# Altium PCB DK2.PcbDoc (part 4 of 5)
Units mm, origin at the board's own origin, x right, y up, seen from the top; angles counter-clockwise.
Board outline 129.5 x 68 mm, 4 copper layers (Top Layer, MidLayer1, Power, Bottom Layer), stack 0.98 mm thick; 275 components, 227 nets, 1103 pads, 1072 vias.
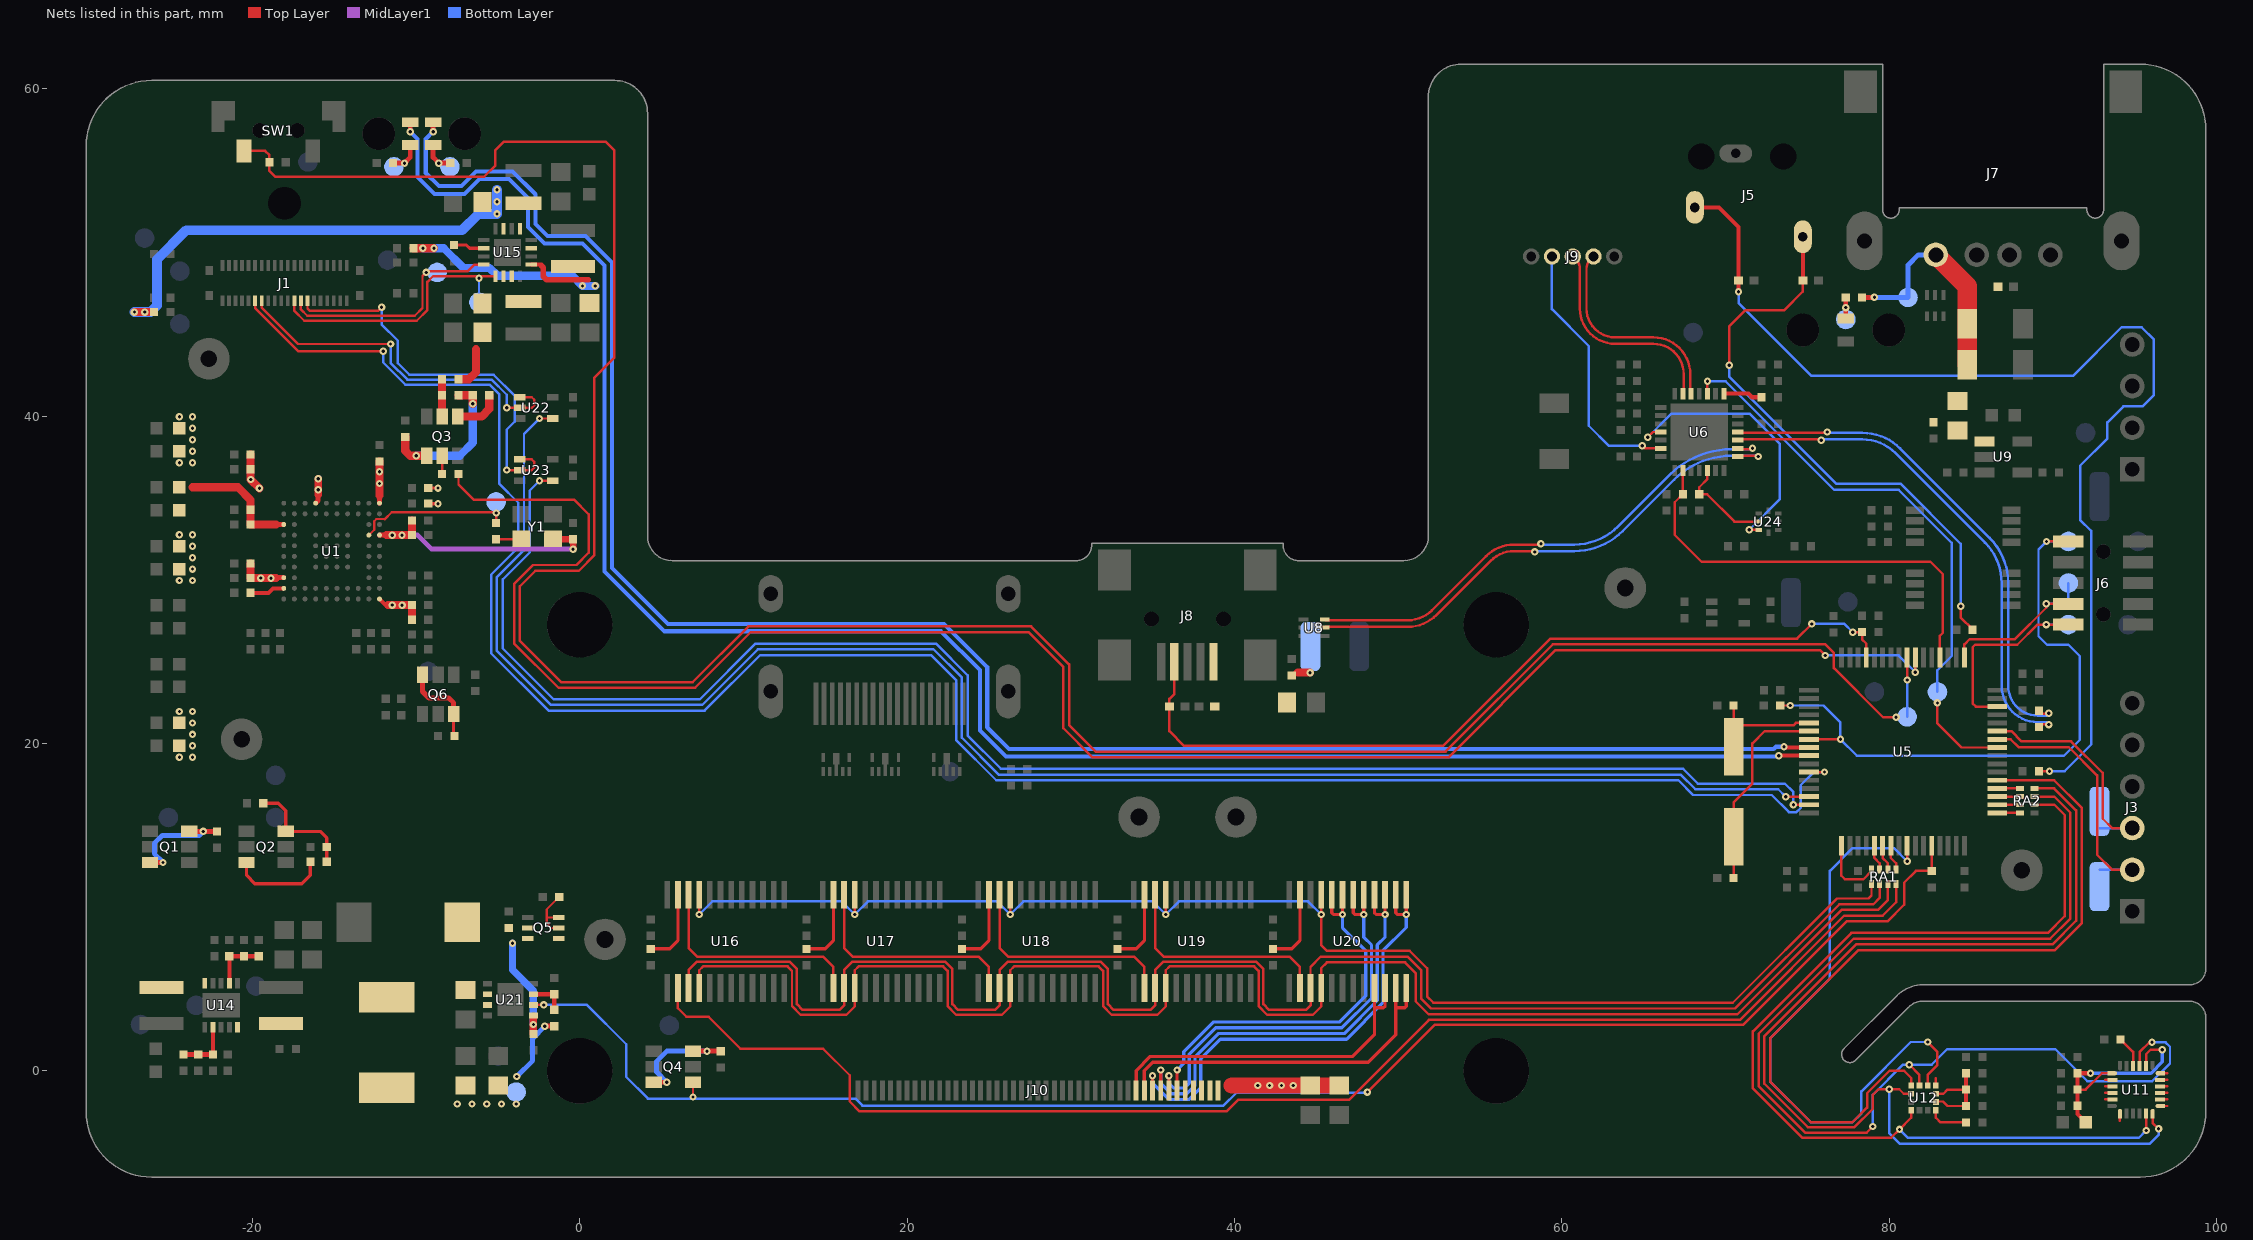
[diagram p6: the nets of this part, all layers, seen from the top]

## Via types
v1: diameter 0.45, hole 0.2, Top Layer to Bottom Layer, tented both sides, 801 vias
v2: diameter 0.8, hole 0.3, Top Layer to Bottom Layer, tented both sides, 266 vias
v3: diameter 0.457, hole 0.203, Top Layer to Bottom Layer, tented both sides, 5 vias

## Nets (pads, with @x,y where several pads share a name; then routed paths per layer and width w, separated by ;. In a path a pad name is that pad's centre, name@x,y a point inside that pad or via, vN(x,y) a via of type N, cw(c..) or ccw(c..) an arc to the next point about the centre after c; other vN are vias at no path point) (continued)
IR_LED35: J10.35 U20.9 U20.10 | length 21.3
  Top Layer w0.2: J10.35@34,-1.2 34,0.01 34.865,0.875 47.225,0.875 48.555,2.205 U20.9@48.555,5.05 ; 48.555,3.85 49.11,3.85 49.205,3.945 U20.10@49.205,5.05
IR_LED36: J10.36 U20.11 U20.12 | length 22.1
  Top Layer w0.2: J10.36@34.5,-1.2 34.5,0.015 35.01,0.525 48.175,0.525 49.855,2.205 49.855,3.85 ; U20.11@49.855,5.05 49.855,3.85 ; U20.12@50.505,5.05 50.505,3.945 50.41,3.85 49.855,3.85
IR_LED37: J10.37 U20.13 U20.14 | length 28.3
  Top Layer w0.2: J10.37@35,-1.2 v1(35,-0.3) ; U20.14@49.855,10.75 49.855,9.645 49.95,9.55 v1(50.505,9.55) U20.13@50.505,10.75
  Bottom Layer w0.2: v1(35,-0.3) 35,-0.75 36,-1.75 37.24,-1.75 37.95,-1.04 37.95,0.725 39.15,1.925 46.85,1.925 49.075,4.15 49.075,7.325 50.505,8.755 v1(50.505,9.55)
IR_LED38: J10.38 U20.15 U20.16 | length 27.4
  Top Layer w0.2: J10.38@35.5,-1.2 v1(35.5,0.05) ; U20.16@48.555,10.75 48.555,9.645 48.65,9.55 v1(49.205,9.55) U20.15@49.205,10.75
  Bottom Layer w0.2: v1(35.5,0.05) 35.5,-0.75 36.15,-1.4 37.095,-1.4 37.6,-0.895 37.6,0.87 39.005,2.275 46.705,2.275 48.725,4.295 48.725,7.687 49.2,8.162 v1@49.2,9.55
IR_LED39: J10.39 U20.17 U20.18 | length 25.5
  Top Layer w0.2: J10.39@36,-1.2 v1(36,-0.3) ; U20.18@47.255,10.75 47.255,9.645 47.35,9.55 v1(47.905,9.55) U20.17@47.905,10.75
  Bottom Layer w0.2: v1(36,-0.3) 36,-0.75 36.3,-1.05 36.95,-1.05 37.25,-0.75 37.25,1.015 38.86,2.625 46.56,2.625 48.375,4.44 48.375,7.692 47.905,8.162 v1(47.905,9.55)
IR_LED40: J10.40 U20.19 U20.20 | length 23.6
  Top Layer w0.2: J10.40@36.5,-1.2 v1(36.5,0.05) ; U20.20@45.955,10.75 45.955,9.645 46.05,9.55 v1(46.605,9.55) U20.19@46.605,10.75
  Bottom Layer w0.2: v1(36.5,0.05) 36.9,0.45 36.9,1.16 38.715,2.975 46.415,2.975 48.025,4.585 48.025,7.325 46.6,8.75 v1@46.6,9.55
IR_LED_CLK: RA1.6 U16.3 U17.3 U18.3 U19.3 U20.3 | length 100.2
  Top Layer w0.15: U16.3@6.655,5.05 6.655,6.165 7.165,6.675 12.825,6.675 13.275,6.225 13.275,4.075 13.625,3.725 15.885,3.725 16.155,3.995 U17.3@16.155,5.05 16.155,6.165 16.665,6.675 22.325,6.675 22.775,6.225 22.775,4.075 23.125,3.725 25.385,3.725 25.655,3.995 U18.3@25.655,5.05 25.655,6.165 26.165,6.675 31.825,6.675 32.275,6.225 32.275,4.075 32.625,3.725 34.885,3.725 35.155,3.995 U19.3@35.155,5.05 35.155,6.165 35.665,6.675 41.325,6.675 41.775,6.225 41.775,4.075 42.125,3.725 44.385,3.725 44.655,3.995 U20.3@44.655,5.05 ; U20.3@44.65,5.025 44.65,6.35 45.275,6.975 50.57,6.975 51.425,6.12 51.425,4.395 52.013,3.807 70.587,3.807 76.955,10.175 79.033,10.175 79.422,10.564 RA1.6@79.422,11.405
IR_LED_LE: RA1.7 U16.4 U17.4 U18.4 U19.4 U20.4 | length 100.2
  Top Layer w0.15: U16.4@7.305,5.05 7.305,6.141 7.539,6.375 12.701,6.375 12.975,6.101 12.975,3.951 13.501,3.425 16.295,3.425 16.805,3.935 U17.4@16.805,5.05 16.805,6.141 17.039,6.375 22.201,6.375 22.475,6.101 22.475,3.951 23.001,3.425 25.795,3.425 26.305,3.935 U18.4@26.305,5.05 26.305,6.141 26.539,6.375 31.701,6.375 31.975,6.101 31.975,3.951 32.501,3.425 35.295,3.425 35.805,3.935 U19.4@35.805,5.05 35.805,6.141 36.039,6.375 41.201,6.375 41.475,6.101 41.475,3.951 42.001,3.425 44.795,3.425 45.305,3.935 U20.4@45.305,5.05 45.305,6.28 45.65,6.625 50.425,6.625 51.075,5.975 51.075,4.25 51.868,3.457 70.732,3.457 77.1,9.825 79.318,9.825 79.922,10.429 RA1.7@79.922,11.405
IR_LED_OE: RA1.5 U16.21 U17.21 U18.21 U19.21 U20.21 | length 88
  Top Layer w0.15: v1(7.305,9.55) U16.21@7.305,10.75 ; v1(16.805,9.55) U17.21@16.805,10.75 ; v1(26.305,9.55) U18.21@26.305,10.75 ; v1(35.805,9.55) U19.21@35.805,10.75 ; v1@45.3,9.525 45.3,7.675 45.65,7.325 50.715,7.325 51.775,6.265 51.775,4.54 52.158,4.157 70.442,4.157 76.81,10.525 78.748,10.525 78.922,10.699 RA1.5@78.922,11.405 ; v1(45.305,9.55) U20.21@45.305,10.75
  Bottom Layer w0.15: v1(7.305,9.55) 8.105,10.35 16.005,10.35 v1(16.805,9.55) 17.605,10.35 25.505,10.35 v1(26.305,9.55) 27.105,10.35 35.005,10.35 v1(35.805,9.55) 36.605,10.35 44.505,10.35 v1(45.305,9.55)
IR_LED_PWR_EN: Q4.1 R10.2 U5.28 U21.2 | length 98.3
  Top Layer w0.15: U21.2@-2.825,4.025 v1(-2.2,4.025) ; v1(6.925,-1.6) Q4.1@6.925,-0.7 ; v1(48.125,-1.3) 52.232,2.807 71.077,2.807 77.395,9.125 79.9,9.125 80.925,10.15 80.925,11.5 81.634,12.209 82.601,12.209 U5.28@82.601,13.751
  Bottom Layer w0.15: v1(-2.2,4.025) 0.45,4.025 2.85,1.625 2.85,-0.375 4.175,-1.7 16.85,-1.7 17.275,-2.125 39.335,-2.125 40.11,-1.35 48.075,-1.35 v1(48.125,-1.3)
IR_LED_SDI: RA1.8 U16.2 | length 85.6
  Top Layer w0.15: U16.2@6.005,5.05 6.005,3.82 6.525,3.3 7.875,3.3 9.825,1.35 14.875,1.35 16.5,-0.275 16.5,-1.875 17.1,-2.475 39.525,-2.475 40.225,-1.775 47,-1.775 51.882,3.107 70.877,3.107 77.245,9.475 79.603,9.475 80.422,10.294 RA1.8@80.422,11.405
LED_AMBER: D2.2 U5.9 | length 118.1
  Top Layer w0.25: v1@73.25,19.251 U5.9@75.101,19.251
  Top Layer w0.3: v1(-10.35,57.375) D2.2@-10.35,57.95
  Bottom Layer w0.25: v1(-10.35,57.375) -9.9,56.925 -9.9,54.6 -8.875,53.575 -7.025,53.575 -6.129,54.471 -4.304,54.471 -3.15,53.317 -3.15,51.55 -2.15,50.55 0.175,50.55 1.525,49.2 1.525,30.5 5.175,26.85 22.075,26.85 24.45,24.475 24.45,20.801 26.051,19.2 73.2,19.2 v1(73.25,19.25)
LED_BLUE: D1.2 U5.8 | length 117.3
  Top Layer w0.25: v1@73.55,19.751 U5.8@75.101,19.751
  Top Layer w0.3: v1(-8.95,57.375) D1.2@-8.95,57.95
  Bottom Layer w0.25: v1(-8.95,57.375) -9.4,56.925 -9.4,54.85 -8.604,54.054 -7.223,54.054 -6.327,54.95 -4.1,54.95 -2.7,53.55 -2.7,51.736 -1.964,51 0.361,51 1.975,49.386 1.975,30.725 5.4,27.3 22.261,27.3 24.9,24.661 24.9,20.987 26.237,19.65 72.95,19.65 73.098,19.798 v1(73.577,19.798)
MAG_CS: U5.37 U12.10 | length 49.6
  Top Layer w0.15: U12.10@81.35,-0.89 81.35,-0.44 80.91,0 80.021,0 78.65,-1.371 78.65,-2.249 77.759,-3.14 75.22,-3.14 72.725,-0.645 72.725,1.975 78.125,7.375 90.13,7.375 91.775,9.02 91.775,16.055 90.079,17.751 U5.37@86.601,17.751
MAG_DRDY: U5.25 U12.8 | length 37.6
  Top Layer w0.15: v1(81.101,12.801) U5.25@81.101,13.751 ; U12.8@82.35,-0.89 82.35,-0.44 82.35,-0.25 82.95,0.35 82.95,1.16 v1(82.35,1.76)
  Bottom Layer w0.15: v1(81.101,12.801) 80.302,13.6 77.77,13.6 76.38,12.21 76.38,5.63 72.725,1.975 72.725,-0.645 75.22,-3.14 77.759,-3.14 78.3,-2.599 78.3,-1.26 81.32,1.76 v1(82.35,1.76)
MAG_IRQ: U12.7 | length 0.5
  Top Layer w0.15: U12.7@82.85,-0.89 82.85,-0.44
MCO: TP12.1 U5.41 U6.10 | length 34.7
  Top Layer w0.15: v1(68.9,42.125) 68.901,42.124 U6.10@68.901,41.374 ; v1(82.948,22.475) 82.948,21.228 84.425,19.751 U5.41@86.601,19.751
  Bottom Layer w0.15: v1(68.9,42.125) 70.012,42.125 76.637,35.5 80.575,35.5 83.825,32.25 83.825,25.345 82.95,24.47 TP12.1@82.95,23.15
MEMS_MISO: RA2.7 U11.9 U12.9 | length 70.6
  Top Layer w0.15: v1(79,-3.4) 78.629,-3.771 74.861,-3.771 72.025,-0.935 72.025,2.265 77.835,8.075 89.84,8.075 91.075,9.31 91.075,15.765 90.087,16.753 RA2.7@88.885,16.753 ; v1(81.225,0.375) 81.85,-0.25 81.85,-0.44 U12.9@81.85,-0.89 ; U11.9@95.3,0.3 95.3,0.75 95.3,1.15 95.89,1.74 v1(96.06,1.74)
  Bottom Layer w0.15: v1(79,-3.4) 79,-1.475 80.855,0.38 82.605,0.38 83.55,1.325 90.15,1.325 92.113,-0.638 96.062,-0.638 97.156,0.456 97.156,1.469 96.885,1.74 v1(96.06,1.74)
MEMS_MOSI: RA2.8 U11.24 U12.11 | length 67.5
  Top Layer w0.15: U12.11@81.34,-1.4 80.89,-1.4 80.615,-1.125 79.35,-1.125 79,-1.475 79,-2.324 77.879,-3.445 75.03,-3.445 72.375,-0.79 72.375,2.12 77.98,7.725 89.985,7.725 91.425,9.165 91.425,15.91 90.082,17.253 RA2.8@88.885,17.253 ; U11.24@96.1,-2.6 96.1,-3.05 96.1,-3.18 v1(96.46,-3.54)
  Bottom Layer w0.15: v1(80,-1.125) 80,-3.81 80.64,-4.45 95.925,-4.45 96.46,-3.915 v1(96.46,-3.54)
MEMS_SCK: RA2.6 U11.23 U12.1 | length 62.1
  Top Layer w0.15: U12.1@81.35,-2.41 81.35,-2.86 v1(80.63,-3.58) 80.129,-4.081 74.676,-4.081 71.675,-1.08 71.675,2.41 77.69,8.425 89.695,8.425 90.725,9.455 90.725,15.62 90.092,16.253 RA2.6@88.885,16.253 ; v1(95.7,-3.65) 95.7,-3.05 U11.23@95.7,-2.6
  Bottom Layer w0.15: v1(80.63,-3.58) 81.15,-4.1 95.25,-4.1 v1(95.7,-3.65)
NC1: U11.1 | length 0.5
  Top Layer w0.15: U11.1@96.55,-2.15 97,-2.15
NC2: U11.2 | length 0.5
  Top Layer w0.15: U11.2@96.55,-1.75 97,-1.75
NC3: U11.3 | length 0.5
  Top Layer w0.15: U11.3@96.55,-1.35 97,-1.35
NC4: U11.4 | length 0.5
  Top Layer w0.15: U11.4@96.55,-0.95 97,-0.95
NC5: U11.5 | length 0.5
  Top Layer w0.15: U11.5@96.55,-0.55 97,-0.55
NC6: U11.6 | length 0.5
  Top Layer w0.15: U11.6@96.55,-0.15 97,-0.15
NC7: U11.14 | length 0.5
  Top Layer w0.15: 93.2,-0.55 U11.14@93.65,-0.55
NC8: U11.15 | length 0.5
  Top Layer w0.15: 93.2,-0.95 U11.15@93.65,-0.95
NC9: U11.16 | length 0.5
  Top Layer w0.15: 93.2,-1.35 U11.16@93.65,-1.35
NC10: U11.17 | length 0.5
  Top Layer w0.15: 93.2,-1.75 U11.17@93.65,-1.75
NetC47_1: C47.1 FB8.1 U9.1
NetC52_1: C52.1 C53.1 C54.1 L1.1 U11.8 U11.13 | length 13.7
  Top Layer w0.15: C52.1@91.508,-1.15 92,-1.15 93,-0.15 U11.13@93.55,-0.15 ; U11.8@95.7,0.3 95.7,0.75 95.7,1.01 95.98,1.29 v1(96.69,1.29)
  Top Layer w0.25: C54.1@92.01,-3.15 91.508,-2.648 91.508,-1.15 91.508,-0.15 v1(92.3,-0.15)
  Bottom Layer w0.2: v1(92.3,-0.15) 96,-0.15 96.69,0.54 v1(96.69,1.29)
NetC56_1: C56.1 U11.10 | length 1.8
  Top Layer w0.15: C56.1@94.225,1.825 94.9,1.15 94.9,0.75 U11.10@94.9,0.3
NetC57_1: C57.1 C58.1 L2.1 U12.5 U12.6 | length 5.9
  Top Layer w0.15: U12.5@82.85,-1.875 83.3,-1.875 83.575,-2.15 C58.1@84.692,-2.15 ; U12.6@82.86,-1.4 83.31,-1.4 83.562,-1.148 84.69,-1.148 C57.1@84.692,-1.15
  Top Layer w0.25: C58.1@84.692,-2.15 84.692,-1.15 L2.1@84.692,-0.15
NetC60_1: C60.1 U12.4 | length 2.4
  Top Layer w0.15: U12.4@82.85,-2.41 82.85,-2.86 83.14,-3.15 C60.1@84.692,-3.15
NetC63_2: C63.2 R29.1 R33.2 U14.2 | length 3.5
  Top Layer w0.25: U14.2@-21.4,5.35 R33.2@-21.4,7
  Top Layer w0.3: R33.2@-21.4,7 C63.2@-19.575,7
NetC67_2: C67.2 R32.1 R37.2 U14.7 | length 3.4
  Top Layer w0.25: R37.2@-22.4,1 U14.7@-22.4,2.65
  Top Layer w0.3: C67.2@-24.2,1 R37.2@-22.4,1
NetC69_2: C69.2 Q3.1 R39.2 R41.2 | length 9.8
  Top Layer w0.5: C69.2@-10.65,38.725 -10.65,37.875 -10.35,37.575 Q3.1@-9.35,37.575 ; R41.2@-7.4,41.275 R39.2@-6.525,41.275 v1(-6.525,40.75)
  Bottom Layer w0.5: v1(-9.975,37.575) -7.325,37.575 -6.525,38.375 v1(-6.525,40.75)
NetC73_1: C73.1 FB9.1 U15.3 | length 29
  Top Layer w0.5: v1(-27.2,46.35) FB9.1@-26,46.35
  Bottom Layer w0.6: v1(-27.2,46.35) v1(-26.575,46.35) -26.225,46.35 -25.825,46.75 -25.825,49.561 -24.036,51.35 -7.175,51.35 -6.175,52.35 v1(-5.05,52.35) v1(-5.05,53.825)
  other v1: -5.05,53.088
NetC74_1: C74.1 C75.1 FB10.1 U15.10 | length 2.7
  Top Layer w0.5: FB10.1@-7.4,42.25 -6.75,42.25 -6.325,42.675 -6.325,44.075
NetC76_1: C76.1 FB11.1 U15.13 | length 16.9
  Top Layer w0.25: U15.13@-2.95,49.25 -2.35,49.25
  Top Layer w0.35: -2.35,49.2 -2.225,49.075 -2.225,48.525 -2.025,48.325 0.525,48.325
  Top Layer w0.5: FB11.1@-10.15,50.25 v1(-8.9,50.25)
  Bottom Layer w0.5: v1(-9.575,50.25) -8.3,50.25 -7.1,49.05 -5.5,49.05 -5.025,48.575 -0.45,48.575 v1(0.175,47.95) v1(0.95,47.95)
NetC86_1: C86.1 C87.1 C90.1 Q5.6 U21.1 U21.6 | length 6.6
  Top Layer w0.45: C87.1@-2.825,2.258 v1(-2.825,2.825) U21.1@-2.825,3.325
  Bottom Layer w0.45: v1(-4.1,7.8) -4.1,6.174 -2.825,4.899 v1(-2.825,2.825)
NetC100_2: C100.2 Q2.3 R30.2 R36.1 | length 6.8
  Top Layer w0.2: C100.2@-19.325,16.35 -18.4,16.35 -17.95,15.9 Q2.3@-17.95,14.625 ; Q2.3@-17.825,14.625 -15.85,14.625 -15.45,14.225 R30.2@-15.45,12.775
NetC102_1: C102.1 U15.6 | length 1.9
  Top Layer w0.2: C102.1@-7.675,50.45 -6.925,50.45 -6.725,50.25 U15.6@-5.85,50.25
NetD1_1: D1.1 R7.1 TP29.1 | length 1.9
  Top Layer w0.3: D1.1@-8.95,56.55 -8.95,55.8 v1(-8.6,55.45) R7.1@-7.9,55.45
NetD2_1: D2.1 R8.1 TP30.1 | length 1.9
  Top Layer w0.3: R8.1@-11.4,55.45 v1(-10.7,55.45) -10.35,55.8 D2.1@-10.35,56.55
NetD5_1: D5.1 R12.1 TP31.1 | length 1.3
  Top Layer w0.3: D5.1@77.35,45.95 R12.1@77.35,47.25
  other v1: 77.35,46.625
NetFB10_2: FB10.2 Q3.5 R41.1 | length 2.3
  Top Layer w0.5: Q3.5@-8.4,39.975 FB10.2@-8.4,42.25
NetJ9_2: J9.2 U6.12 | length 13.2
  Top Layer w0.15: J9.2@61.94,49.75 61.722,49.532 ccw(c62.234,49.02) 61.51,49.02 61.51,46.563 ccw(c63.263,46.563) 63.263,44.81 65.602,44.81 cw(c65.602,42.562) 67.85,42.562 67.85,41.425 U6.12@67.901,41.374
NetJ9_3: J9.3 U6.13 | length 12.8
  Top Layer w0.15: J9.3@60.906,49.514 cw(c60.41,49.02) 61.11,49.02 61.11,46.563 ccw(c63.263,46.563) 63.263,44.41 65.602,44.41 cw(c65.602,42.562) 67.45,42.562 67.45,41.423 U6.13@67.401,41.374
NetJ9_4: J9.4 U6.20 | length 16.2
  Top Layer w0.15: v1(64.91,38.18) 65.066,38.024 U6.20@66.051,38.024
  Bottom Layer w0.15: J9.4@59.4,49.75 59.4,46.53 61.65,44.28 61.65,39.41 62.88,38.18 v1(64.91,38.18)
NetL3_2: L3.2 U14.10
NetL4_2: L4.2 U14.5
NetL5_1: L5.1 U15.1
NetL6_1: L6.1 U15.11
NetL7_1: L7.1 U15.15
NetL8_2: L8.2 U21.7
NetQ1_3: Q1.3 Q1.6 R35.1 | length 7.2
  Top Layer w0.3: Q1.6@-26.259,12.725 v1(-25.45,12.725) ; Q1.3@-23.85,14.625 R35.1@-22.15,14.625
  Bottom Layer w0.3: v1(-25.45,12.725) -25.983,13.258 -25.983,13.892 -25.5,14.375 -23.248,14.375 v1(-22.998,14.625)
NetQ2_6: Q2.6 R30.1 | length 5.9
  Top Layer w0.2: Q2.6@-20.35,12.725 -20.35,11.94 -19.84,11.43 -16.97,11.43 -16.45,11.95 R30.1@-16.45,12.775
NetQ3_2: Q3.2 R38.2 | length 1.1
  Top Layer w0.15: R38.2@-8.4,36.45 Q3.2@-8.4,37.575
NetQ3_4: Q3.4 R39.1 | length 3
  Top Layer w0.5: Q3.4@-7.45,39.975 -5.975,39.975 -5.525,40.425 R39.1@-5.525,41.275
NetQ4_3: Q4.3 Q4.6 R50.1 | length 7.4
  Top Layer w0.3: Q4.6@4.516,-0.7 v1(5.325,-0.7) ; Q4.3@6.925,1.2 R50.1@8.625,1.2
  Bottom Layer w0.3: v1(5.325,-0.7) 4.7,-0.076 4.7,0.575 5.325,1.2 v1(7.777,1.2)
NetQ5_1: Q5.1 Q5.5 R51.2
NetQ5_2: Q5.2 Q5.3 R53.2 | length 3.5
  Top Layer w0.13: -2.01,9.375 Q5.3@-1.275,9.375 ; Q5.2@-1.275,8.725 -1.696,8.725 -2.01,9.04 -2.01,9.865 R53.2@-1.25,10.625
NetQ6_3: Q6.3 Q6.6 R21.1 | length 5.2
  Top Layer w0.2: R21.1@-7.7,20.45 Q6.3@-7.7,21.8
  Top Layer w0.3: Q6.6@-9.6,24.2 -9.6,23.175 -9.2,22.775 -8,22.775 -7.7,22.475 Q6.3@-7.7,21.8
NetR1_1: R1.1 U1.A2 | length 2.1
  Top Layer w0.25: R1.1@-20.091,29.2 -19,29.2 -18.725,29.475 U1.A2@-18.075,29.475
NetR6_2: R6.2 Y1.3 | length 1.5
  Top Layer w0.15: R6.2@-5.1,32.475 Y1.3@-3.575,32.475
NetR19_1: R19.1 U6.26 U24.6 | length 6
  Top Layer w0.15: U6.26@68.901,36.674 68.901,36.151 68.401,35.651 68.401,35.224 68.876,35.224 70.55,33.55 U24.6@72.02,33.55
NetR24_2: R24.2 U6.8 | length 2.4
  Top Layer w0.25: U6.8@69.901,41.374 71.401,41.374 71.626,41.149 R24.2@72.201,41.149
NetR45_2: R45.2 U16.23 | length 4.7
  Top Layer w0.2: R45.2@4.35,7.45 5.5,7.45 6.005,7.955 U16.23@6.005,10.75
NetR46_2: R46.2 U17.23 | length 4.7
  Top Layer w0.2: R46.2@13.85,7.45 15,7.45 15.505,7.955 U17.23@15.505,10.75
NetR47_2: R47.2 U18.23 | length 4.7
  Top Layer w0.2: R47.2@23.35,7.45 24.5,7.45 25.005,7.955 U18.23@25.005,10.75
NetR48_2: R48.2 U19.23 | length 4.7
  Top Layer w0.2: R48.2@32.85,7.45 34,7.45 34.505,7.955 U19.23@34.505,10.75
NetR49_2: R49.2 U20.23 | length 4.7
  Top Layer w0.2: R49.2@42.35,7.45 43.5,7.45 44.005,7.955 U20.23@44.005,10.75
NetR52_1: R52.1 R54.2 U21.3 | length 2.2
  Top Layer w0.3: U21.3@-2.825,4.675 R54.2@-1.55,4.675 R52.1@-1.55,3.733
NetRA1_1: RA1.1 U5.23 | length 1.6
  Top Layer w0.15: U5.23@80.101,13.751 80.101,13.002 80.422,12.681 RA1.1@80.422,12.305
NetRA1_2: RA1.2 U5.22 | length 1.6
  Top Layer w0.15: U5.22@79.601,13.751 79.601,13.002 79.922,12.681 RA1.2@79.922,12.305
NetRA1_3: RA1.3 U5.21 | length 1.6
  Top Layer w0.15: U5.21@79.101,13.751 79.101,13.002 79.422,12.681 RA1.3@79.422,12.305
NetRA1_4: RA1.4 U5.17 | length 4.1
  Top Layer w0.15: U5.17@77.101,13.751 77.075,13.725 77.075,11.925 77.3,11.7 78.426,11.7 78.922,12.196 RA1.4@78.922,12.305
NetRA2_1: RA2.1 U5.36 | length 1.4
  Top Layer w0.15: U5.36@86.601,17.253 RA2.1@87.985,17.253
NetRA2_2: RA2.2 U5.35 | length 1.4
  Top Layer w0.15: U5.35@86.601,16.753 RA2.2@87.985,16.753
NetRA2_3: RA2.3 U5.34 | length 1.4
  Top Layer w0.15: U5.34@86.601,16.253 RA2.3@87.985,16.253
NetRA2_4: RA2.4 U5.33 | length 1.4
  Top Layer w0.15: U5.33@86.601,15.753 RA2.4@87.985,15.753
NetU6_18: U6.18 U24.7 | length 17
  Top Layer w0.15: v1(65.253,38.702) 65.252,38.702 65.574,39.024 U6.18@66.051,39.024 ; v1(71.45,33.05) U24.7@72.02,33.05
  Bottom Layer w0.15: v1(65.253,38.702) 65.253,38.703 66.7,40.15 71.463,40.15 73.325,38.288 73.325,34.925 v1(71.45,33.05)
NetU16_22: U16.22 U17.2 | length 13.9
  Top Layer w0.15: U16.22@6.655,10.75 6.655,7.495 7.175,6.975 14.875,6.975 15.505,6.345 U17.2@15.505,5.05
NetU17_22: U17.22 U18.2 | length 13.9
  Top Layer w0.15: U17.22@16.155,10.75 16.155,7.495 16.675,6.975 24.375,6.975 25.005,6.345 U18.2@25.005,5.05
NetU18_22: U18.22 U19.2 | length 13.9
  Top Layer w0.15: U18.22@25.655,10.75 25.655,7.495 26.175,6.975 33.875,6.975 34.505,6.345 U19.2@34.505,5.05
NetU19_22: U19.22 U20.2 | length 13.9
  Top Layer w0.15: U19.22@35.155,10.75 35.155,7.495 35.675,6.975 43.375,6.975 44.005,6.345 U20.2@44.005,5.05
OSC_IN: C37.1 U5.5 X1.1 | length 7.2
  Top Layer w0.15: X1.1@70.515,19.761 C37.1@70.515,22.32 ; X1.1@70.515,21.1 74.151,21.1 74.302,21.251 U5.5@75.101,21.251
OSC_OUT: C38.1 U5.6 X1.2 | length 12.5
  Top Layer w0.15: C38.1@70.5,11.775 70.5,16.4 71.65,17.55 71.65,20 72.401,20.751 U5.6@75.101,20.751
PANEL_EL_ON_1: J1.15 TP46.1 U15.8 | length 14.3
  Top Layer w0.15: J1.15@-17.025,47.05 -17.025,46.508 -16.642,46.125 -10.075,46.125 -9.6,46.6 -9.6,48.55 -9.3,48.85 -6.825,48.85 -6.425,49.25 U15.8@-5.85,49.25
  other v1: -9.375,48.775
PANEL_EL_ON_2: J1.17 TP47.1 U15.9 | length 16.8
  Top Layer w0.15: J1.17@-17.425,47.05 -17.425,46.425 -16.825,45.825 -9.951,45.825 -9.3,46.476 -9.3,48.193 -8.943,48.55 U15.9@-5.15,48.55
  Bottom Layer w0.13: TP47.1@-6.15,46.95 v1(-6.15,48.425)
PANEL_MIPI_ERR: U5.14 U22.4 | length 104.9
  Top Layer w0.15: v1(-2.45,39.85) U22.4@-1.65,39.85 ; v1(73.675,16.75) U5.14@75.101,16.751
  Bottom Layer w0.15: v1(-2.45,39.85) -3.4,38.9 -3.4,31.816 -5.05,30.166 -5.05,25.653 -1.747,22.35 7.49,22.35 10.89,25.75 21.619,25.75 23.35,24.019 23.35,20.345 25.595,18.1 67.265,18.1 68.165,17.2 73.225,17.2 v1(73.675,16.75)
PANEL_MIPI_ERR_1_8V: J1.27 U22.1 U22.2 | length 22.1
  Top Layer w0.15: J1.27@-19.425,47.05 -19.425,46.624 -17.201,44.4 v1(-11.55,44.4) ; v1(-4.45,40.5) U22.2@-3.65,40.5 -2.925,40.5 -2.775,40.65 -2.775,41 -2.925,41.15 U22.1@-3.65,41.15
  Bottom Layer w0.15: v1@-11.575,44.4 v1@-11.55,44.375 ; v1(-11.55,44.4) -11.55,43.251 -10.524,42.225 -5.376,42.225 -4.45,41.299 v1(-4.45,40.5)
PANEL_PWM: R38.1 U5.55 | length 118.3
  Top Layer w0.15: R38.1@-7.4,36.45 -7.4,35.825 -6.475,34.9 -0.35,34.9 0.55,34 0.55,31.65 -0.2,30.9 -2.85,30.9 -4,29.75 -4,26.112 -1.288,23.4 7.055,23.4 10.455,26.8 27.43,26.8 29.55,24.68 29.55,20.925 31.325,19.15 53.075,19.15 59.625,25.7 75.775,25.7 v1(76.1,25.375) ; v1@81.601,24.35 U5.55@81.601,25.251
  Bottom Layer w0.15: v1(76.1,25.375) 80.575,25.375 v1(81.6,24.35)
PANEL_RESET: J1.29 U5.11 | length 128.2
  Top Layer w0.15: J1.29@-19.825,47.05 -19.825,46.6 -17.175,43.95 v1(-12,43.95) ; U5.11@75.101,18.251 v1(76.051,18.251)
  Bottom Layer w0.15: v1(-12,43.95) -12,43.275 -10.65,41.925 -5.5,41.925 -4.9,41.325 -4.9,35.85 -3.75,34.7 -3.75,31.966 -5.4,30.316 -5.4,25.5 -1.9,22 7.635,22 11.035,25.4 21.474,25.4 23,23.874 23,20.2 25.45,17.75 67.12,17.75 68.02,16.85 72.825,16.85 73.874,15.801 74.336,15.801 74.6,16.065 74.6,17.45 75.401,18.251 v1(76.051,18.251)
PANEL_VSYNC: U5.15 U23.4 | length 101.2
  Top Layer w0.15: v1(-2.45,36.05) U23.4@-1.65,36.05 ; v1(74.15,16.251) U5.15@75.101,16.251
  Bottom Layer w0.15: v1(-2.45,36.05) -3.05,35.45 -3.05,31.666 -4.7,30.016 -4.7,25.806 -1.594,22.7 7.345,22.7 10.745,26.1 21.764,26.1 23.7,24.164 23.7,20.49 25.74,18.45 67.41,18.45 68.31,17.55 73.625,17.55 74.15,17.025 v1(74.15,16.251)
PANEL_VSYNC_1_8V: J1.13 U23.1 U23.2 | length 24.7